# KiCad board Marble.kicad_pcb (continued)
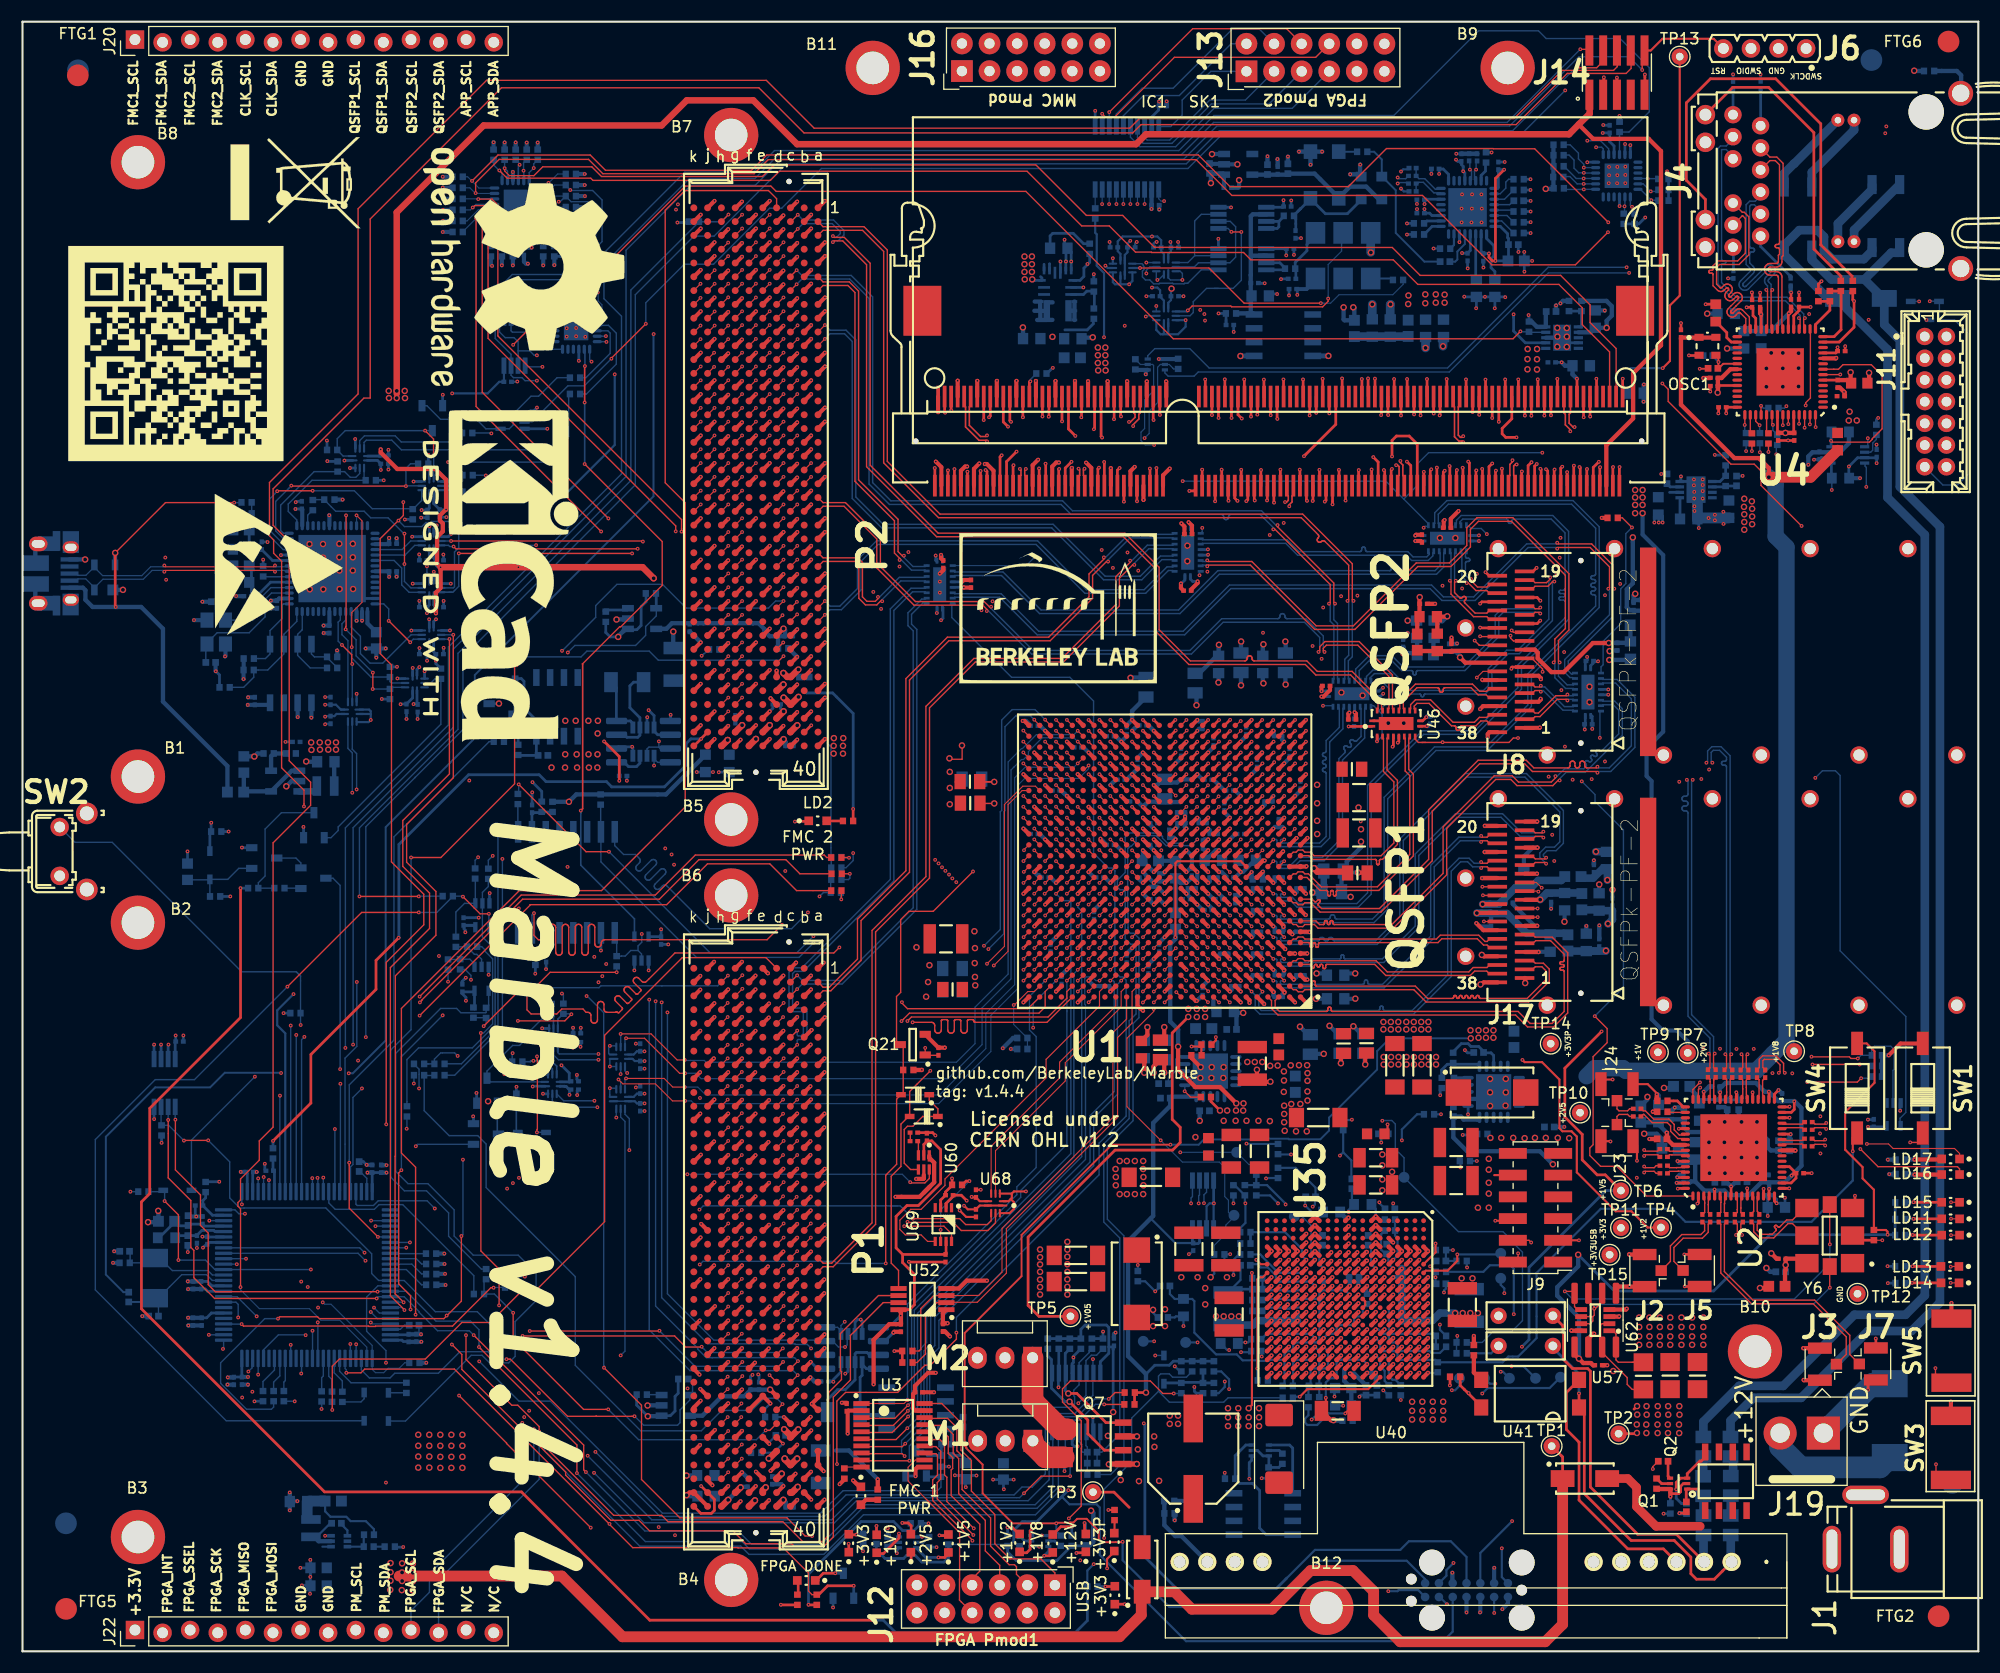
[diagram p0: board, top side]
## Library data of the parts (continued)
C6 C62 = -: Case: 1206; Comment: 22uF; Component Kind: Standard; Component Type: Standard; CreateDate: 07/25/18 00:00:00; Footprint Path: PcbLib\Capacitors SMD.PcbLib; Footprint Ref: CAPC3216X180N; LatestRevisionDate: 07/25/18 00:00:00; Library Name: Capacitors.DbLib; Library Path: SchLib\Capacitors.SchLib; Library Ref: Capacitor - non polarized; License: This work is licensed under the Creative Commons CC-BY-SA 4.0 License. To the extent that circuit schematics that use Licensed Material can be considered to be ‘Adapted Material’, then the copyright holder waives article 3.b of the license with respect to these schematics.; Manufacturer: GENERIC; Manufacturer1 ComponentHeight: 1.8mm; Manufacturer1 Example: TDK; Manufacturer1 Part Number: C3216X5R1E226M160AB; Mounted: Yes; Part Description: SMD Multilayer Chip Ceramic Capacitor; Pin Count: 2; SMD: Yes; Sense: No; Socket: No; Status: None; TC: X5R; Tolerance: ±20%; Val: 22uF; Voltage: 25V; ~: 22uF
C7-C11 C14-C21 C23 C25 C29-C35 C37-C41 C44-C46 C48-C56 C58-C60 C63-C67 C75 C77-C80 C82-C91 C94-C101 C103 C104 C108-C110 C112 C115-C117 C122 C124-C126 C136 C141 C163 C164 C166 C169 C170 C174-C187 C190-C193 C196-C215 C217-C221 C224 C230 C232 C234 C236 C238 C288-C295 C299-C301 C305 C306 C310 C312-C321 C323 C325-C327 C329 C342 C351 C352 C355-C359 C365 C369 C377-C379 C395-C400 C404-C406 C410 C412 C415 C416 C418-C425 C428-C433 = -: Case: 0201; Comment: =Value; Component Kind: Standard; Component Type: Standard; CreateDate: 12/03/07 00:00:00; Footprint Path: PcbLib\Capacitors SMD.PcbLib; Footprint Ref: CAPC0603X33N; LatestRevisionDate: 12/03/07 00:00:00; Library Name: Capacitors SMD; Library Path: SchLib\Capacitors.SchLib; Library Ref: Capacitor - non polarized; License: This work is licensed under the Creative Commons CC-BY-SA 4.0 License. To the extent that circuit schematics that use Licensed Material can be considered to be ‘Adapted Material’, then the copyright holder waives article 3.b of the license with respect to these schematics.; Manufacturer: GENERIC; Manufacturer1 ComponentHeight: 0.33mm; Manufacturer1 Example: AVX; Manufacturer1 Part Number: 02016D104KAT2A; Mounted: Yes; Part Description: SMD Multilayer Chip Ceramic Capacitor; Pin Count: 2; SMD: Yes; Sense: No; Socket: No; Status: Not Recommended; TC: X5R; Tolerance: ±10%; Val: 100nF; Voltage: 6.3V; ~: 100nF
C12 C13 C42 C47 C68 C69 C71-C73 C322 C324 C328 C370 = -: Case: 0603; Comment: =Value; Component Kind: Standard; Component Type: Standard; CreateDate: 12/03/07 00:00:00; Footprint Path: PcbLib\Capacitors SMD.PcbLib; Footprint Ref: CAPC1608X87N; LatestRevisionDate: 12/03/07 00:00:00; Library Name: Capacitors SMD; Library Path: SchLib\Capacitors.SchLib; Library Ref: Capacitor - non polarized; License: This work is licensed under the Creative Commons CC-BY-SA 4.0 License. To the extent that circuit schematics that use Licensed Material can be considered to be ‘Adapted Material’, then the copyright holder waives article 3.b of the license with respect to these schematics.; Manufacturer: GENERIC; Manufacturer1 ComponentHeight: 0.95mm; Manufacturer1 Example: KEMET; Manufacturer1 Part Number: C0603C106M9PAC; Mounted: Yes; Part Description: SMD Multilayer Chip Ceramic Capacitor; Pin Count: 2; SMD: Yes; Sense: No; Socket: No; Status: Preferred; TC: X5R; Tolerance: ±20%; Val: 10uF; Voltage: 6.3V; ~: 10uF
C24 C28 C36 C81 C123 = -: Case: 0402; Comment: 1uF; Component Kind: Standard; Component Type: Standard; CreateDate: 10/25/12 00:00:00; Footprint Path: PcbLib\Capacitors SMD.PcbLib; Footprint Ref: CAPC1005X55N; LatestRevisionDate: 10/25/12 00:00:00; Library Name: Capacitors.DbLib; Library Path: SchLib\Capacitors.SchLib; Library Ref: Capacitor - non polarized; License: This work is licensed under the Creative Commons CC-BY-SA 4.0 License. To the extent that circuit schematics that use Licensed Material can be considered to be ‘Adapted Material’, then the copyright holder waives article 3.b of the license with respect to these schematics.; Manufacturer: GENERIC; Manufacturer1 ComponentHeight: 0.55mm; Manufacturer1 Example: TDK; Manufacturer1 Part Number: C1005X5R1C105KT; Mounted: Yes; Part Description: SMD Multilayer Chip Ceramic Capacitor; Pin Count: 2; SMD: Yes; Sense: No; Socket: No; Status: Preferred; TC: X5R; Tolerance: ±10%; Val: 1uF; Voltage: 16V; ~: 1uF
C43 = -: Case: 0201; Comment: =Value; Component Kind: Standard; Component Type: Standard; CreateDate: 12/03/07 00:00:00; Footprint Path: PcbLib\Capacitors SMD.PcbLib; Footprint Ref: CAPC0603X33N; LatestRevisionDate: 12/03/07 00:00:00; Library Name: Capacitors SMD; Library Path: SchLib\Capacitors.SchLib; Library Ref: Capacitor - non polarized; License: This work is licensed under the Creative Commons CC-BY-SA 4.0 License. To the extent that circuit schematics that use Licensed Material can be considered to be ‘Adapted Material’, then the copyright holder waives article 3.b of the license with respect to these schematics.; Manufacturer: GENERIC; Manufacturer1 ComponentHeight: 0.33mm; Manufacturer1 Example: AVX; Manufacturer1 Part Number: 02016D104KAT2A; Mounted: Yes; Part Description: SMD Multilayer Chip Ceramic Capacitor; Pin Count: 2; SMD: Yes; Sense: No; Socket: No; Status: Not Recommended; TC: X5R; Tolerance: ±10%; Val: 100nF; Voltage: 6.3V; config: dnf; ~: 100nF
C57 C76 C129 C138 C162 C167 C168 C173 C343 C344 C360 C427 = -: Case: 0603; Comment: 4.7uF; Component Kind: Standard; Component Type: Standard; CreateDate: 11/10/14 00:00:00; Footprint Path: PcbLib\Capacitors SMD.PcbLib; Footprint Ref: CAPC1608X90N; LatestRevisionDate: 11/10/14 00:00:00; Library Name: Capacitors.DbLib; Library Path: SchLib\Capacitors.SchLib; Library Ref: Capacitor - non polarized; License: This work is licensed under the Creative Commons CC-BY-SA 4.0 License. To the extent that circuit schematics that use Licensed Material can be considered to be ‘Adapted Material’, then the copyright holder waives article 3.b of the license with respect to these schematics.; Manufacturer: GENERIC; Manufacturer1 ComponentHeight: 0.95mm; Manufacturer1 Example: MURATA; Manufacturer1 Part Number: GRM188R61E475KE11D; Mounted: Yes; Part Description: SMD Multilayer Chip Ceramic Capacitor; Pin Count: 2; SMD: Yes; Sense: No; Socket: No; Status: None; TC: X5R; Tolerance: ±10%; Val: 4.7uF; Voltage: 25V; ~: 4.7uF
C70 C74 C139 C142 C143 C145 C308 C311 C382 C383 = -: Case: 0402; Comment: 1uF; Component Kind: Standard; Component Type: Standard; CreateDate: 10/25/12 00:00:00; Footprint Path: PcbLib\Capacitors SMD.PcbLib; Footprint Ref: CAPC1005X55N; LatestRevisionDate: 10/25/12 00:00:00; Library Name: Capacitors.DbLib; Library Path: SchLib\Capacitors.SchLib; Library Ref: Capacitor - non polarized; License: This work is licensed under the Creative Commons CC-BY-SA 4.0 License. To the extent that circuit schematics that use Licensed Material can be considered to be ‘Adapted Material’, then the copyright holder waives article 3.b of the license with respect to these schematics.; Manufacturer: GENERIC; Manufacturer1 ComponentHeight: 0.55mm; Manufacturer1 Example: TDK; Manufacturer1 Part Number: C1005X5R1C105KT; Mounted: Yes; Part Description: SMD Multilayer Chip Ceramic Capacitor; Pin Count: 2; SMD: Yes; Sense: No; Socket: No; Status: Preferred; TC: X5R; Tolerance: ±10%; Val: 1uF; Voltage: 16V
C92 = -: Case: 0402; Comment: =Value; Component Kind: Standard; Component Type: Standard; CreateDate: 12/03/07 00:00:00; Footprint Path: PcbLib\Capacitors SMD.PcbLib; Footprint Ref: CAPC1005X55N; LatestRevisionDate: 04/22/15 00:00:00; Library Name: Capacitors SMD; Library Path: SchLib\Capacitors.SchLib; Library Ref: Capacitor - non polarized; License: This work is licensed under the Creative Commons CC-BY-SA 4.0 License. To the extent that circuit schematics that use Licensed Material can be considered to be ‘Adapted Material’, then the copyright holder waives article 3.b of the license with respect to these schematics.; Manufacturer: GENERIC; Manufacturer1 ComponentHeight: 0.55mm; Manufacturer1 Example: KEMET; Manufacturer1 Part Number: C0402C151J5GACTU; Mounted: Yes; Part Description: SMD Multilayer Chip Ceramic Capacitor; Pin Count: 2; SMD: Yes; Sense: No; Socket: No; Status: Preferred; TC: C0G/NP0; Tolerance: ±5%; Val: 150pF; Voltage: 50V; ~: 150pF
C93 = -: Case: 0402; Comment: =Value; Component Kind: Standard; Component Type: Standard; CreateDate: 12/03/07 00:00:00; Footprint Path: PcbLib\Capacitors SMD.PcbLib; Footprint Ref: CAPC1005X55N; LatestRevisionDate: 12/03/07 00:00:00; Library Name: Capacitors SMD; Library Path: SchLib\Capacitors.SchLib; Library Ref: Capacitor - non polarized; License: This work is licensed under the Creative Commons CC-BY-SA 4.0 License. To the extent that circuit schematics that use Licensed Material can be considered to be ‘Adapted Material’, then the copyright holder waives article 3.b of the license with respect to these schematics.; Manufacturer: GENERIC; Manufacturer1 ComponentHeight: 0.55mm; Manufacturer1 Example: KEMET; Manufacturer1 Part Number: C0402C220J5GACTU; Mounted: Yes; Part Description: SMD Multilayer Chip Ceramic Capacitor; Pin Count: 2; SMD: Yes; Sense: No; Socket: No; Status: Preferred; TC: C0G/NP0; Tolerance: ±5%; Val: 22pF; Voltage: 50V; config: dnf; ~: 22pF
C102 C374 C375 = -: Case: 0402; Comment: 100pF; Component Kind: Standard; Component Type: Standard; CreateDate: 12/03/07 00:00:00; Footprint Path: PcbLib\Capacitors SMD.PcbLib; Footprint Ref: CAPC1005X55N; LatestRevisionDate: 04/22/15 00:00:00; Library Name: Capacitors.DbLib; Library Path: SchLib\Capacitors.SchLib; Library Ref: Capacitor - non polarized; License: This work is licensed under the Creative Commons CC-BY-SA 4.0 License. To the extent that circuit schematics that use Licensed Material can be considered to be ‘Adapted Material’, then the copyright holder waives article 3.b of the license with respect to these schematics.; Manufacturer: GENERIC; Manufacturer1 ComponentHeight: 0.55mm; Manufacturer1 Example: KEMET; Manufacturer1 Part Number: C0402C101J5GACTU; Mounted: Yes; Part Description: SMD Multilayer Chip Ceramic Capacitor; Pin Count: 2; SMD: Yes; Sense: No; Socket: No; Status: Preferred; TC: C0G/NP0; Tolerance: ±5%; Val: 100pF; Voltage: 50V; ~: 100pF
C107 C364 C368 C371 C376 = -: Case: 0402; Comment: =Value; Component Kind: Standard; Component Type: Standard; CreateDate: 12/03/07 00:00:00; Footprint Path: PcbLib\Capacitors SMD.PcbLib; Footprint Ref: CAPC1005X55N; LatestRevisionDate: 12/03/07 00:00:00; Library Name: Capacitors SMD; Library Path: SchLib\Capacitors.SchLib; Library Ref: Capacitor - non polarized; License: This work is licensed under the Creative Commons CC-BY-SA 4.0 License. To the extent that circuit schematics that use Licensed Material can be considered to be ‘Adapted Material’, then the copyright holder waives article 3.b of the license with respect to these schematics.; Manufacturer: GENERIC; Manufacturer1 ComponentHeight: 0.55mm; Manufacturer1 Example: PHYCOMP; Manufacturer1 Part Number: 223878715636; Mounted: Yes; Part Description: SMD Multilayer Chip Ceramic Capacitor; Pin Count: 2; SMD: Yes; Sense: No; Socket: No; Status: Not Recommended; TC: X7R; Tolerance: ±10%; Val: 10nF; Voltage: 16V; ~: 10nF
C114 = -: Case: 0402; Comment: 2.2nF; Component Kind: Standard; Component Type: Standard; CreateDate: 12/03/07 00:00:00; Footprint Path: PcbLib\Capacitors SMD.PcbLib; Footprint Ref: CAPC1005X55N; LatestRevisionDate: 12/03/07 00:00:00; Library Name: Capacitors.DbLib; Library Path: SchLib\Capacitors.SchLib; Library Ref: Capacitor - non polarized; License: This work is licensed under the Creative Commons CC-BY-SA 4.0 License. To the extent that circuit schematics that use Licensed Material can be considered to be ‘Adapted Material’, then the copyright holder waives article 3.b of the license with respect to these schematics.; Manufacturer: GENERIC; Manufacturer1 ComponentHeight: 0.55mm; Manufacturer1 Example: PHYCOMP; Manufacturer1 Part Number: 223858715627; Mounted: Yes; Part Description: SMD Multilayer Chip Ceramic Capacitor; Pin Count: 2; SMD: Yes; Sense: No; Socket: No; Status: Not Recommended; TC: X7R; Tolerance: ±10%; Val: 2.2nF; Voltage: 50V
C127 = -: Author: CERN DEM JLC; Case: D; Component Kind: Standard; Component Type: Standard; CreateDate: 03.12.2007; LatestRevisionDate: 03.12.2007; Manufacturer: KYOCERA AVX; Manufacturer Part Number: TPSD107K020R0150; Manufacturer1 ComponentHeight: 3.1mm; Manufacturer1 Example: AVX; Manufacturer1 Part Number: TPSD107K020R0150; Mounted: Yes; Part Description: Solid Tantalum Chip Capacitor; Part Number: TPSD107K020R0150; Pin Count: 2; SMD: Yes; Sense: No; Socket: No; Status: Preferred; Tolerance: ±10%; Voltage: 20V
C128 C130 C131 C417 = -: Case: 0402; Comment: 100nF; Component Kind: Standard; Component Type: Standard; CreateDate: 12/10/13 00:00:00; Footprint Path: PcbLib\Capacitors SMD.PcbLib; Footprint Ref: CAPC1005X55N; LatestRevisionDate: 05/25/20 00:00:00; Library Name: Capacitors SMD; Library Path: SchLib\Capacitors.SchLib; Library Ref: Capacitor - non polarized; License: This work is licensed under the Creative Commons CC-BY-SA 4.0 License. To the extent that circuit schematics that use Licensed Material can be considered to be ‘Adapted Material’, then the copyright holder waives article 3.b of the license with respect to these schematics.; Manufacturer: GENERIC; Manufacturer1 ComponentHeight: 0.55mm; Manufacturer1 Example: Samsung; Manufacturer1 Part Number: CL05A104KA5NNNC; Mounted: Yes; Part Description: SMD Multilayer Chip Ceramic Capacitor; Pin Count: 2; SMD: Yes; Sense: No; Socket: No; Status: None; TC: X5R; Tolerance: ±10%; Val: 100nF; Voltage: 25V
C140 C144 C148 = -: Author: CERN DEM JLC; Case: 0603; Component Kind: Standard; Component Type: Standard; CreateDate: 28.04.2011; LatestRevisionDate: 28.04.2011; Manufacturer: GENERIC; Manufacturer1 ComponentHeight: 0.9mm; Manufacturer1 Example: YAGEO PHYCOMP; Manufacturer1 Part Number: CC0603KRX5R7BB225; Mounted: Yes; Part Description: SMD Multilayer Chip Ceramic Capacitor; Part Number: CC0603_2.2UF_16V_10%_X5R; Pin Count: 2; SMD: Yes; Sense: No; Socket: No; Status: Preferred; TC: X5R; Tolerance: ±10%; Voltage: 16V
C147 C149 C157-C160 = -: Author: CERN DEM JLC; Case: 0402; Component Kind: Standard; Component Type: Standard; CreateDate: 10.12.2013; LatestRevisionDate: 10.12.2013; Manufacturer: GENERIC; Manufacturer1 ComponentHeight: 0.55mm; Manufacturer1 Example: MURATA; Manufacturer1 Part Number: GRM155R61C104KA88D; Mounted: Yes; Part Description: SMD Multilayer Chip Ceramic Capacitor; Part Number: CC0402_100NF_16V_10%_X5R; Pin Count: 2; SMD: Yes; Sense: No; Socket: No; Status: None; TC: X5R; Tolerance: ±10%; Voltage: 16V
C150-C152 = -: Author: CERN DEM JLC; Case: 0603; Component Kind: Standard; Component Type: Standard; CreateDate: 18.01.2011; LatestRevisionDate: 18.01.2011; Manufacturer: GENERIC; Manufacturer1 ComponentHeight: 0.9mm; Manufacturer1 Example: MURATA; Manufacturer1 Part Number: GRM188R71E105KA12D; Mounted: Yes; Part Description: SMD Multilayer Chip Ceramic Capacitor; Part Number: CC0603_1UF_25V_10%_X7R; Pin Count: 2; SMD: Yes; Sense: No; Socket: No; Status: None; TC: X7R; Tolerance: ±10%; Voltage: 25V
C153-C156 = -: Author: CERN DEM JLC; Case: 1210; Component Kind: Standard; Component Type: Standard; CreateDate: 12.11.2014; LatestRevisionDate: 12.11.2014; Manufacturer: GENERIC; Manufacturer1 ComponentHeight: 2.79mm; Manufacturer1 Example: AVX; Manufacturer1 Part Number: 12103D226KAT2A; Mounted: Yes; Part Description: SMD Multilayer Chip Ceramic Capacitor; Pin Count: 2; SMD: Yes; Sense: No; Socket: No; Status: Preferred; TC: X5R; Tolerance: ±10%; Voltage: 25V
C161 C194 C331 C340 = -: Author: CERN DEM MR; Case: 1206; Component Kind: Standard; Component Type: Standard; CreateDate: 24.06.2016; LatestRevisionDate: 24.06.2016; Manufacturer: GENERIC; Manufacturer1 ComponentHeight: 1.8mm; Manufacturer1 Example: MURATA; Manufacturer1 Part Number: GRM31CR61A476KE15; Mounted: Yes; Part Description: SMD Multilayer Chip Ceramic Capacitor; Pin Count: 2; SMD: Yes; Sense: No; Socket: No; Status: None; TC: X5R; Tolerance: ±10%; Voltage: 10V
C165 C171 = -: Case: 0402; Comment: 22pF; Component Kind: Standard; Component Type: Standard; CreateDate: 12/03/07 00:00:00; Footprint Path: PcbLib\Capacitors SMD.PcbLib; Footprint Ref: CAPC1005X55N; LatestRevisionDate: 12/03/07 00:00:00; Library Name: Capacitors.DbLib; Library Path: SchLib\Capacitors.SchLib; Library Ref: Capacitor - non polarized; License: This work is licensed under the Creative Commons CC-BY-SA 4.0 License. To the extent that circuit schematics that use Licensed Material can be considered to be ‘Adapted Material’, then the copyright holder waives article 3.b of the license with respect to these schematics.; Manufacturer: GENERIC; Manufacturer1 ComponentHeight: 0.55mm; Manufacturer1 Example: KEMET; Manufacturer1 Part Number: C0402C220J5GACTU; Mounted: Yes; Part Description: SMD Multilayer Chip Ceramic Capacitor; Pin Count: 2; SMD: Yes; Sense: No; Socket: No; Status: Preferred; TC: C0G/NP0; Tolerance: ±5%; Val: 22pF; Voltage: 50V; ~: 22pF
C188 C189 = -: Case: 0402; Comment: 1nF; Component Kind: Standard; Component Type: Standard; CreateDate: 12/03/07 00:00:00; Footprint Path: PcbLib\Capacitors SMD.PcbLib; Footprint Ref: CAPC1005X55N; LatestRevisionDate: 12/03/07 00:00:00; Library Name: Capacitors.DbLib; Library Path: SchLib\Capacitors.SchLib; Library Ref: Capacitor - non polarized; License: This work is licensed under the Creative Commons CC-BY-SA 4.0 License. To the extent that circuit schematics that use Licensed Material can be considered to be ‘Adapted Material’, then the copyright holder waives article 3.b of the license with respect to these schematics.; Manufacturer: GENERIC; Manufacturer1 ComponentHeight: 0.55mm; Manufacturer1 Example: PHYCOMP; Manufacturer1 Part Number: 223858715623; Mounted: Yes; Part Description: SMD Multilayer Chip Ceramic Capacitor; Pin Count: 2; SMD: Yes; Sense: No; Socket: No; Status: Not Recommended; TC: X7R; Tolerance: ±10%; Val: 1nF; Voltage: 50V; ~: 1nF
C195 C330 C341 C345 = -: Author: CERN DEM JLC; Case: 1206; Component Kind: Standard; Component Type: Standard; CreateDate: 26.09.2012; LatestRevisionDate: 26.09.2012; Manufacturer: GENERIC; Manufacturer1 ComponentHeight: 1.8mm; Manufacturer1 Example: KEMET; Manufacturer1 Part Number: C1206C107M9PACTU; Mounted: Yes; Part Description: SMD Multilayer Chip Ceramic Capacitor; Part Number: CC1206_100UF_6.3V_20%_X5R; Pin Count: 2; SMD: Yes; Sense: No; Socket: No; Status: None; TC: X5R; Tolerance: ±10%; Voltage: 6.3V
C233 C235 C237 C240-C243 C252-C255 C268 C270 C272 C274 C276 C278 C284-C287 C386 = -: Case: 0805; Comment: =Value; Component Kind: Standard; Component Type: Standard; CreateDate: 12/03/07 00:00:00; Footprint Path: PcbLib\Capacitors SMD.PcbLib; Footprint Ref: CAPC2012X135N; LatestRevisionDate: 12/03/07 00:00:00; Library Name: Capacitors SMD; Library Path: SchLib\Capacitors.SchLib; Library Ref: Capacitor - non polarized; License: This work is licensed under the Creative Commons CC-BY-SA 4.0 License. To the extent that circuit schematics that use Licensed Material can be considered to be ‘Adapted Material’, then the copyright holder waives article 3.b of the license with respect to these schematics.; Manufacturer: GENERIC; Manufacturer1 ComponentHeight: 1.45mm; Manufacturer1 Example: PHYCOMP; Manufacturer1 Part Number: 222224013672; Mounted: Yes; Part Description: SMD Multilayer Chip Ceramic Capacitor; Pin Count: 2; SMD: Yes; Sense: No; Socket: No; Status: Preferred; TC: X5R; Tolerance: ±10%; Val: 4.7uF; Voltage: 10V; ~: 4.7uF
C307 C309 = -: Case: 0402; Comment: 2.2uF; Component Kind: Standard; Component Type: Standard; CreateDate: 09/22/15 00:00:00; Footprint Path: PcbLib\Capacitors SMD.PcbLib; Footprint Ref: CAPC1005X55N; LatestRevisionDate: 09/22/15 00:00:00; Library Name: Capacitors.DbLib; Library Path: SchLib\Capacitors.SchLib; Library Ref: Capacitor - non polarized; License: This work is licensed under the Creative Commons CC-BY-SA 4.0 License. To the extent that circuit schematics that use Licensed Material can be considered to be ‘Adapted Material’, then the copyright holder waives article 3.b of the license with respect to these schematics.; Manufacturer: GENERIC; Manufacturer1 ComponentHeight: 0.55mm; Manufacturer1 Example: TDK; Manufacturer1 Part Number: C1005X5R0J225K050BC; Mounted: Yes; Part Description: SMD Multilayer Chip Ceramic Capacitor; Pin Count: 2; SMD: Yes; Sense: No; Socket: No; Status: Preferred; TC: X5R; Tolerance: ±10%; Val: 2.2uF; Voltage: 6.3V
C346 C347 = -: Author: CERN DEM JLC; Case: 0805; Component Kind: Standard; Component Type: Standard; CreateDate: 03.12.2007; LatestRevisionDate: 03.12.2007; Manufacturer: GENERIC; Manufacturer1 ComponentHeight: 1.4mm; Manufacturer1 Example: KEMET; Manufacturer1 Part Number: C0805C106K4PAC; Mounted: Yes; Part Description: SMD Multilayer Chip Ceramic Capacitor; Part Number: CC0805_10UF_16V_10%_X5R; Pin Count: 2; SMD: Yes; Sense: No; Socket: No; Status: Preferred; TC: X5R; Tolerance: ±10%; Voltage: 16V
C348 C349 = -: Author: CERN DEM JLC; Case: D; Component Kind: Standard; Component Type: Standard; ComponentHeight: 3.1mm; CreateDate: 11.01.2012; LatestRevisionDate: 11.01.2012; Manufacturer: KEMET; Manufacturer Part Number: T520D337M006ATE015; Mounted: Yes; Part Description: Low ESR 0R015 Tantalum Chip Capacitor; Part Number: CTE7343-31_330UF_6.3V_20%_LESR0015_KEMET_T520; Pin Count: 2; SMD: Yes; Sense: No; Socket: No; Status: None; Tolerance: ±20%; Voltage: 6.3V
C350 = -: Case: F; Comment: =Value; Component Kind: Standard; Component Type: Standard; ComponentHeight: 10.2mm; CreateDate: 12/03/07 00:00:00; Footprint Path: PcbLib\Capacitors SMD.PcbLib; Footprint Ref: CAPAE830X1020N; LatestRevisionDate: 11/05/14 00:00:00; Library Name: Capacitors SMD; Library Path: SchLib\Capacitors.SchLib; Library Ref: Capacitor - polarized; License: This work is licensed under the Creative Commons CC-BY-SA 4.0 License. To the extent that circuit schematics that use Licensed Material can be considered to be ‘Adapted Material’, then the copyright holder waives article 3.b of the license with respect to these schematics.; Manufacturer: NICHICON; Manufacturer Part Number: UCD1C471MNL1GS; Mounted: Yes; Part Description: Aluminum Electrolytic SMT Capacitor; Pin Count: 2; SMD: Yes; Sense: No; Socket: No; Status: Not Recommended; Tolerance: ±20%; Val: 470uF; Voltage: 16V; ~: 470uF
C353 C354 = -: Case: LS5 W2.5 x L7.2 x H6.5; Comment: =Value; Component Kind: Standard; Component Type: Standard; ComponentHeight: 6.5mm; CreateDate: 12/19/07 00:00:00; Footprint Path: PcbLib\Capacitors THD.PcbLib; Footprint Ref: CAPR500-250X720X650; LatestRevisionDate: 04/22/15 00:00:00; Library Name: Capacitors THD; Library Path: SchLib\Capacitors.SchLib; Library Ref: Capacitor - non polarized; License: This work is licensed under the Creative Commons CC-BY-SA 4.0 License. To the extent that circuit schematics that use Licensed Material can be considered to be ‘Adapted Material’, then the copyright holder waives article 3.b of the license with respect to these schematics.; Manufacturer: TDK; Manufacturer Part Number: B32529C6472J000; Mounted: Yes; Part Description: Metallized Polyester Film Capacitor (MKT); Pin Count: 2; SMD: No; Sense: No; Socket: No; Status: None; Tolerance: ±5%; Val: 4.7nF; Voltage: 400VDC/200VAC; ~: 4.7nF
C361 C426 = -: Author: CERN DEM JLC; Case: 0402; Component Kind: Standard; Component Type: Standard; CreateDate: 03.12.2007; LatestRevisionDate: 22.04.2015; Manufacturer: GENERIC; Manufacturer1 ComponentHeight: 0.55mm; Manufacturer1 Example: KEMET; Manufacturer1 Part Number: C0402C151J5GACTU; Mounted: Yes; Part Description: SMD Multilayer Chip Ceramic Capacitor; Pin Count: 2; SMD: Yes; Sense: No; Socket: No; Status: Preferred; TC: C0G/NP0; Tolerance: ±5%; Voltage: 50V
C362 C363 = -: Author: CERN DEM JLC; Case: 0402; Component Kind: Standard; Component Type: Standard; CreateDate: 03.12.2007; LatestRevisionDate: 03.12.2007; Manufacturer: GENERIC; Manufacturer1 ComponentHeight: 0.55mm; Manufacturer1 Example: KEMET; Manufacturer1 Part Number: C0402C220J5GACTU; Mounted: Yes; Part Description: SMD Multilayer Chip Ceramic Capacitor; Pin Count: 2; SMD: Yes; Sense: No; Socket: No; Status: Preferred; TC: C0G/NP0; Tolerance: ±5%; Voltage: 50V
